# Altium PCB L1_SmashBoy_PCB2.PcbDoc (part 2 of 3)
Units mm, origin at the board's own origin, x right, y up, seen from the top; angles counter-clockwise.
Board outline 95.7 x 90 mm, 4 copper layers (Top Layer, Int1 (GND), Int2 (PWR), Bottom Layer), stack 1.531 mm thick; 133 components, 156 nets, 820 pads, 308 vias.
Unrouted connection lines stored in the file: 4.
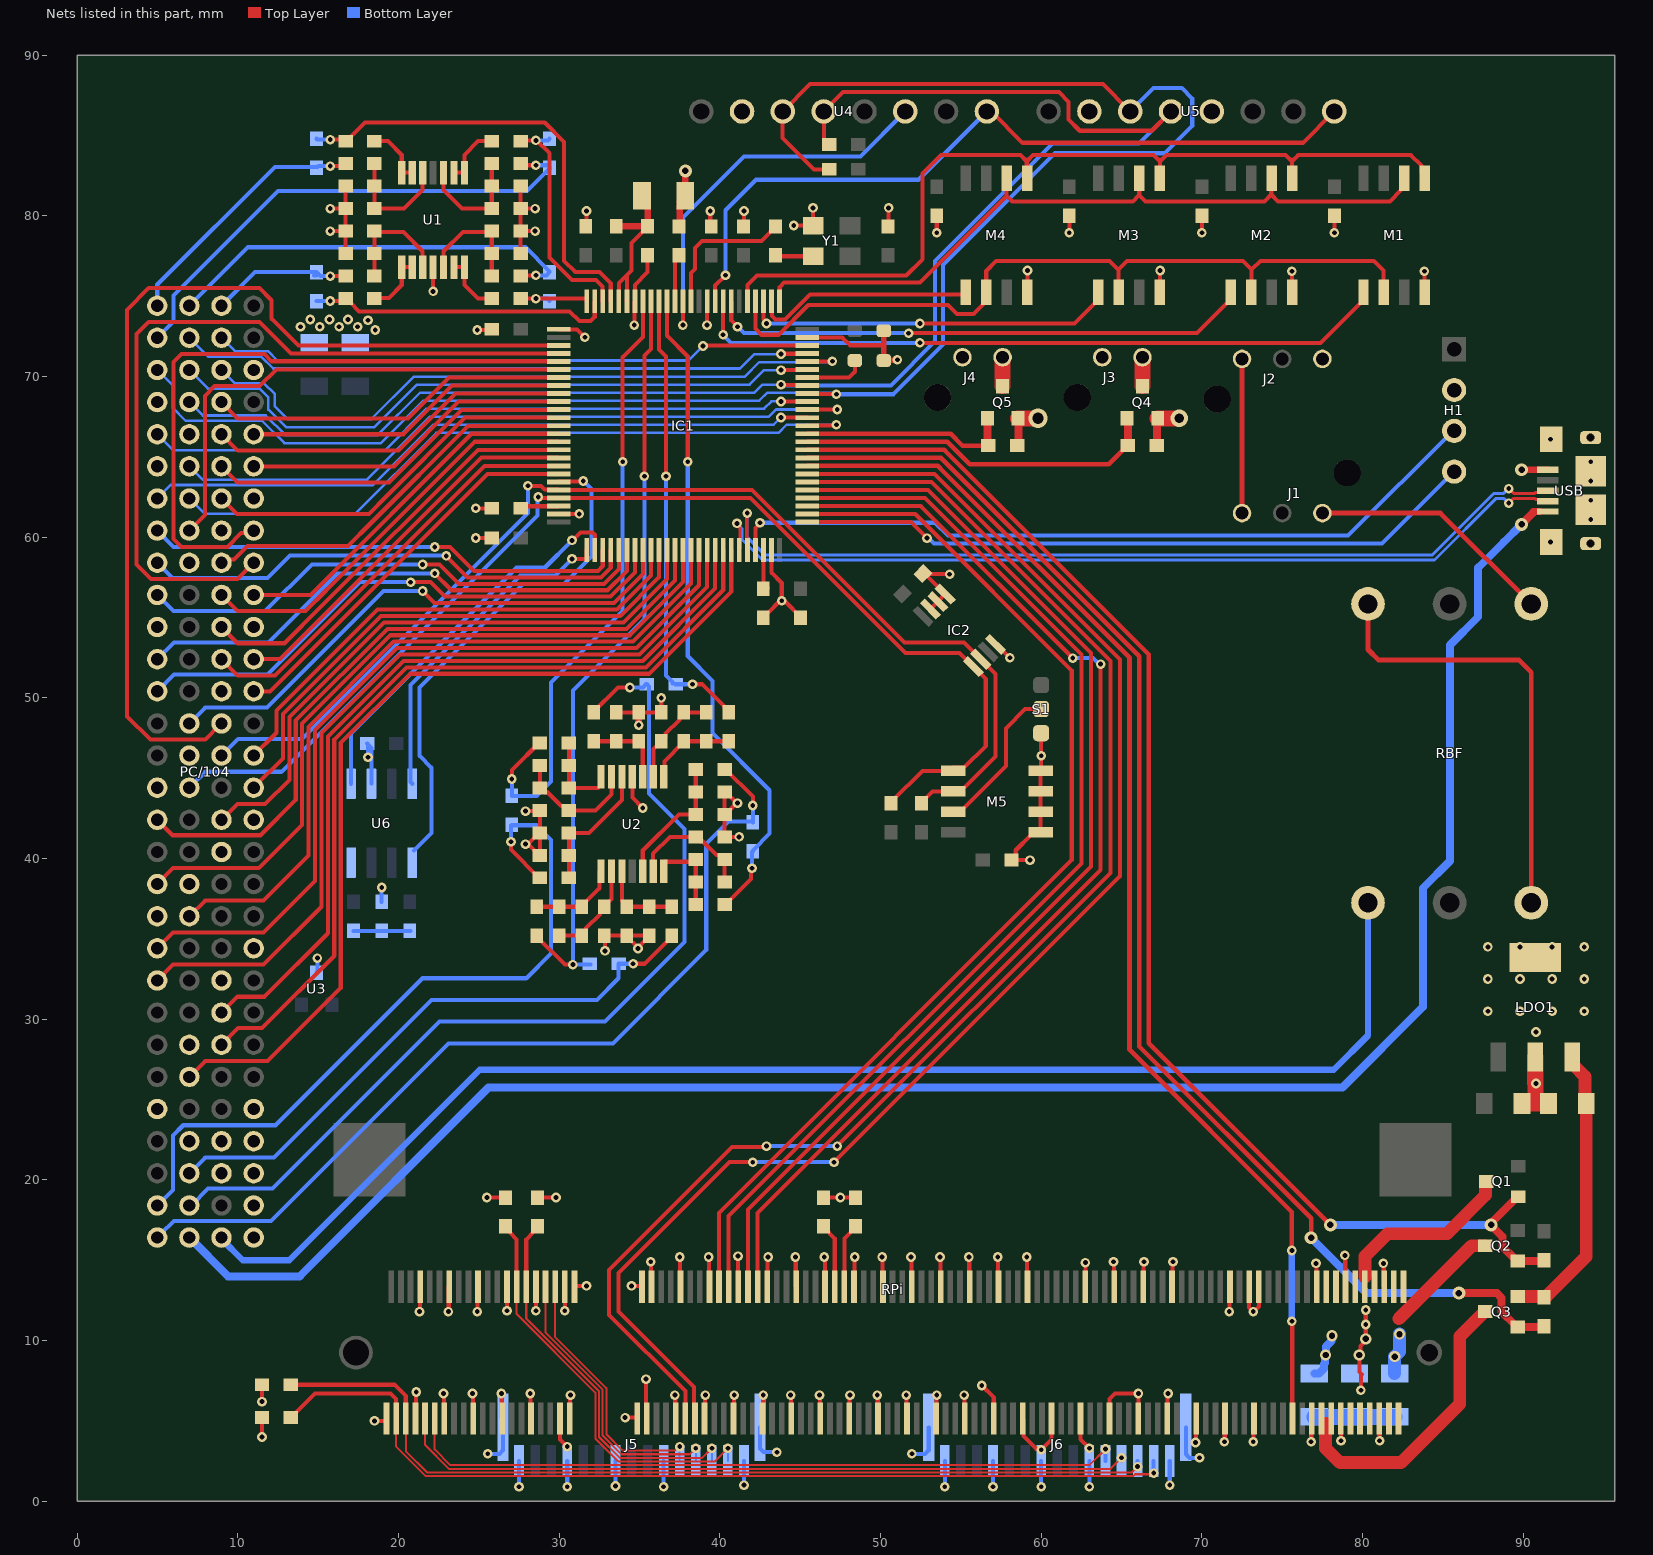
[diagram p4: the nets of this part, all layers, seen from the top]

## Via types
v1: diameter 0.6, hole 0.3, Top Layer to Bottom Layer, tented both sides, 280 vias
v2: diameter 0.8, hole 0.4, Top Layer to Bottom Layer, tented both sides, 8 vias
v3: diameter 3, hole 2, Top Layer to Bottom Layer, 8 vias
v4: diameter 0.7, hole 0.4, Top Layer to Bottom Layer, tented both sides, 6 vias
v5: diameter 2, hole 2, Top Layer to Bottom Layer, 4 vias
v6: diameter 1.2, hole 0.7, Top Layer to Bottom Layer, tented both sides, 1 vias
v7: diameter 1.1, hole 0.6, Top Layer to Bottom Layer, tented both sides, 1 vias

## Nets (pads, with @x,y where several pads share a name; then routed paths per layer and width w, separated by ;. In a path a pad name is that pad's centre, name@x,y a point inside that pad or via, vN(x,y) a via of type N, cw(c..) or ccw(c..) an arc to the next point about the centre after c; other vN are vias at no path point) (continued)
GND: C1.2 C2.2 C3.2 C4.2 C5.2 C6.2 C7.2 C8.2 C9.2 C10.2 C11.2 C13.2 C14.2 C15.2 C16.2 C17.2 C18.2 C19.2 C20.2 C21.2 C22.2 C23.2 C24.2 C25.2 C27.2 C28.2 C29.2 C31.2 C32.2 C33.2 C34.2 C35.2 C36.2 C38.2 C39.2 C40.2 H1.2 IC1.10 IC1.19 IC1.26 IC1.49 IC1.74 IC1.99 IC2.4 IC2.5 IC2.6 IC2.7 J2.3 J5.1 J5.4 J5.7 J5.10 J5.MP1 J5.MP2 J6.1 J6.4 J6.7 J6.10 J6.MP1 J6.MP2 LDO1.2 LDO1.4 M1.4 M2.4 M3.4 M4.4 M5.1 M5.2 M5.3 M5.4 PC/104.1 PC/104.5 PC/104.10 PC/104.14 PC/104.20 PC/104.24 PC/104.28 PC/104.33 PC/104.39 PC/104.43 PC/104.48 PC/104.53 PC/104.64 PC/104.67 PC/104.72 PC/104.76 PC/104.82 PC/104.86 PC/104.95 PC/104.101 PC/104.105 PC/104.110 PC/104.115 PC/104.117 Q4.2 Q5.2 R7.1 R8.1 R9.2 R10.2 R12.2 R15.1 R19.1 R20.1 R24.1 R26.1 R28.1 R32.1 R34.1 R37.1 R40.1 R44.1 R46.1 RPi.1 RPi.7 RPi.8 RPi.13 RPi.14 RPi.19 RPi.20 RPi.25 RPi.26 RPi.31 RPi.32 RPi.37 RPi.38 RPi.43 RPi.44 RPi.49 RPi.50 RPi.55 RPi.56 RPi.61 RPi.62 RPi.67 RPi.68 RPi.73 RPi.74 RPi.79 RPi.80 RPi.85 RPi.86 RPi.91 RPi.92 RPi.97 RPi.98 RPi.103 RPi.104 RPi.109 RPi.110 RPi.115 RPi.116 RPi.121 RPi.122 RPi.127 RPi.133 RPi.134 RPi.139 RPi.140 RPi.145 RPi.146 RPi.151 RPi.152 RPi.157 RPi.163 RPi.164 RPi.168 RPi.169 RPi.170 RPi.181 RPi.182 RPi.187 RPi.188 RPi.195 RPi.196 S1.3 U1.11 U2.11 U3.3 U4.2 U5.2 U5.5 U6.2 U6.8 USB.5 USB.SH Y1.2 | length 266.3
  Top Layer w0.127: LDO1.4@90.3,33.5 90.7,33.5 91.05,33.85 91.95,33.85 LDO1.4@92.3,33.5
  Top Layer w0.254: PC/104.1@10.98,16.187 11.049,16.256 10.98,16.325 PC/104.1@10.98,16.41 ; v1(15.75,79.05) C27.2@16.7,79.05 ; v1(15.75,80.45) C16.2@16.7,80.45 ; R32.1@16.7,77.65 C27.2@16.7,79.05 ; R26.1@16.7,82 C16.2@16.7,80.45 ; v1(18.5,5) 19.199,5 19.25,5.051 RPi.1@19.25,5.148 ; RPi.7@21.05,5.148 21.075,5.173 21.075,6.775 v1(21.1,6.8) ; v1(21.3,11.8) 21.325,11.825 21.325,13.327 RPi.8@21.35,13.352 ; v1(22.15,75.3) U1.11@22.15,76.812 ; v1(22.8,6.7) 22.825,6.675 22.825,5.173 RPi.13@22.85,5.148 ; v1(23.1,11.8) 23.125,11.825 23.125,13.327 RPi.14@23.15,13.352 ; v1(24.6,6.7) 24.625,6.675 24.625,5.173 RPi.19@24.65,5.148 ; v1(24.8,59.95) 25.8,59.95 C17.2@25.809,59.94 ; v1(24.8,61.8) C13.2@25.8,61.8 C13.2@25.791,61.791 ; v1(24.9,11.8) 24.925,11.825 24.925,13.327 RPi.20@24.95,13.352 ; v1(24.9,72.9) 25.769,72.9 C22.2@25.809,72.94 ; C17.2@25.8,60 C17.2@25.85,59.95 ; v1(26.4,6.7) 26.425,6.675 26.425,5.173 RPi.25@26.449,5.148 ; v1(26.75,11.85) RPi.26@26.749,13.352 ; C31.2@27.6,77.65 R40.1@27.6,79.05 ; R19.1@27.6,81.9 C11.2@27.6,80.45 ; v1(27.9,42.95) 28.75,42.95 R46.1@28.8,43 R44.1@28.8,41.6 28.8,40.25 C36.2@28.775,40.225 ; v1(28.2,6.7) 28.225,6.675 28.225,5.173 RPi.31@28.249,5.148 ; v1(28.5,79.05) R40.1@27.6,79.05 ; v1(28.5,80.45) C11.2@27.6,80.45 ; v1@28.55,11.85 RPi.32@28.549,13.352 ; R44.1@28.7,41.55 28.116,40.966 27.966,40.966 v1(27.9,40.9) 27.966,40.834 28.116,40.834 28.75,40.2 C36.2@28.8,40.2 ; IC1.49@29.971,61.44 29.976,61.445 31.245,61.445 v1(31.25,61.45) ; IC1.26@29.971,72.94 29.994,72.917 31.104,72.917 31.572,72.45 v1(31.6,72.45) ; RPi.37@30.075,5.173 RPi.37@30.049,5.148 30.049,3.851 v1(30.5,3.4) ; v1@30.35,11.85 RPi.38@30.35,13.352 ; C23.2@31.65,79.35 31.7,79.4 v1(31.7,80.3) ; v1(32.85,34.25) 32.85,35.15 R20.1@32.8,35.2 C10.2@34.2,35.2 ; R34.1@33.55,49.1 C29.2@34.95,49.1 R37.1@36.35,49.1 v1(36.35,50) ; U2.11@34.55,45.088 34.55,43.8 v1(35.2,43.15) ; v1(34.672,73.2) 34.691,73.219 34.691,74.66 IC1.19@34.709,74.678 34.709,75.709 35.5,76.5 C34.2@35.5,77.55 ; v1(34.9,34.4) v1@34.9,34.45 ; v1(35.4,7.6) 35.4,5.197 RPi.43@35.449,5.148 ; R15.1@35.65,35.25 R15.1@35.6,35.2 ; v1(35.7,14.9) 35.724,14.876 35.724,13.377 RPi.44@35.749,13.352 RPi.44@35.724,13.328 ; v1(37.2,6.6) 37.224,6.576 37.224,5.172 RPi.49@37.249,5.148 ; v1(37.5,15.2) 37.524,15.176 37.524,13.376 RPi.50@37.549,13.352 ; RPi.55@39.049,5.148 39.074,5.174 39.074,6.574 v1(39.1,6.6) ; v1(39.2,73.2) 39.205,73.205 39.205,74.674 IC1.10@39.209,74.678 ; v1(39.3,15.2) 39.324,15.176 39.324,13.376 RPi.56@39.349,13.352 ; v1(39.4,80.3) 39.4,79.4 C21.2@39.459,79.34 ; R24.1@40.3,44.05 C15.2@40.3,42.7 ; R24.1@40.38,44.07 R24.1@40.3,44.15 40.35,44.15 v1@41.05,43.45 ; RPi.61@40.848,5.148 40.874,5.174 40.874,6.574 v1(40.9,6.6) ; v1@41.1,43.4 41.075,43.425 v1@41.05,43.45 ; v1(41.1,43.45) v1@41.05,43.45 ; v1(41.128,15.255) 41.124,15.259 41.124,13.376 RPi.62@41.148,13.352 ; v1(41.2,41.35) R28.1@40.3,41.35 C15.2@40.3,42.7 ; C20.2@41.459,79.34 41.5,79.381 v1(41.5,80.3) ; RPi.67@42.648,5.148 42.674,5.174 v1@42.674,6.574 ; v1@42.674,6.774 v1@42.674,6.574 ; v1(42.7,6.6) v1@42.674,6.574 ; C5.2@42.7,55 42.7,55.05 42.973,55.323 43.023,55.323 43.684,55.984 43.784,55.984 v1(43.85,56.05) ; RPi.68@42.948,13.352 42.974,13.378 42.974,15.2 v1(43,15.2) ; IC1.74@43.209,59.202 43.209,57.791 43.85,57.15 v1(43.85,56.05) ; v1(44.4,6.6) 44.424,6.576 44.424,5.172 RPi.73@44.448,5.148 ; v1(44.6,79.4) Y1.2@45.8,79.4 ; v1(44.7,15.2) v1@44.724,15.224 ; v1@44.724,15.276 v1@44.724,15.224 ; RPi.74@44.748,13.352 44.724,13.376 v1@44.724,15.224 ; C18.2@45.05,55 45.05,55.011 44.077,55.984 43.916,55.984 v1(43.85,56.05) ; IC1.99@45.34,72.44 IC1.99@45.35,72.45 ; IC1.99@45.447,72.44 47.614,72.44 48.105,71.95 50.2,71.95 ; v1(45.8,80.5) 45.8,79.4 Y1.2@45.809,79.39 ; v1(46.2,6.6) 46.224,6.576 46.224,5.172 RPi.79@46.248,5.148 ; R9.2@46.45,18.9 v1(47.5,18.9) R10.2@48.45,18.9 ; v1(46.5,15.2) 46.5,15.106 46.548,15.058 RPi.80@46.548,13.352 ; RPi.85@48.048,5.148 48.074,5.174 48.074,6.574 v1(48.1,6.6) ; RPi.86@48.348,13.352 48.374,13.378 v1@48.374,15.226 ; v1@48.374,15.274 v1@48.374,15.226 ; v1(48.4,15.2) v1@48.374,15.226 ; R10.2@48.5,18.9 R10.2@48.45,18.9 ; R10.2@48.5,18.95 R10.2@48.45,18.9 ; v1(49.8,6.6) 49.824,6.576 49.824,5.172 RPi.91@49.848,5.148 ; v1(50.1,15.2) v1@50.124,15.176 ; v1@50.124,15.276 v1@50.124,15.176 ; RPi.92@50.148,13.352 50.124,13.376 v1@50.124,15.176 ; R12.2@50.2,71.1 50.275,71.025 R12.2@50.3,71 ; C3.2@50.459,79.34 50.5,79.381 v1(50.5,80.5) ; v1@51.025,71.025 v1(51.05,71.05) ; v1(51.6,6.6) 51.624,6.576 51.624,5.172 RPi.97@51.647,5.148 ; v1(51.9,15.2) 51.924,15.176 51.924,13.376 RPi.98@51.947,13.352 ; IC2.7@53.106,55.534 IC2.6@53.566,55.994 ; RPi.103@53.447,5.148 53.474,5.174 53.474,6.574 v1(53.5,6.6) ; v1(53.5,78.95) C9.2@53.5,80 ; IC2.6@53.566,55.989 IC2.6@53.566,55.994 ; v1(53.7,15.2) v1@53.724,15.176 ; v1@53.724,15.276 v1@53.724,15.176 ; RPi.104@53.747,13.352 53.724,13.376 v1@53.724,15.176 ; IC2.5@53.829,56.65 52.742,57.736 C14.2@52.636,57.736 52.672,57.772 53.058,57.772 53.13,57.7 v1(54.3,57.7) ; IC2.5@54.05,56.5 54.05,56.478 IC2.5@54.025,56.454 IC2.6@53.566,55.994 ; v1(55.2,6.6) 55.224,6.576 55.224,5.171 RPi.109@55.247,5.148 ; v1(55.5,15.2) v1@55.524,15.176 ; v1@55.524,15.276 v1@55.524,15.176 ; RPi.110@55.547,13.352 55.524,13.376 v1@55.524,15.176 ; v1(56.3,7.2) 57.023,6.477 ; IC2.4@57.154,53.325 57.189,53.325 58.014,52.5 v1(58.05,52.5) ; v1(57.3,15.2) v1@57.323,15.177 ; v1@57.323,15.277 v1@57.323,15.177 ; RPi.116@57.347,13.352 57.323,13.376 v1@57.323,15.177 ; R7.1@58.6,65.7 R7.1@58.5,65.7 R7.1@58.6,65.8 ; RPi.121@58.847,5.148 58.898,5.097 58.898,4.054 59.685,3.266 59.934,3.266 v1(60,3.2) 60.647,3.847 RPi.127@60.647,5.148 ; v1(59.1,15.2) v1@59.123,15.177 ; M4.4@59.12,75.25 59.135,75.265 59.135,76.585 v1(59.15,76.6) ; v1@59.123,15.277 v1@59.123,15.177 ; RPi.122@59.147,13.352 59.123,13.376 v1@59.123,15.177 ; v1(59.3,39.9) C28.2@58.15,39.9 58.415,40.165 58.415,40.515 59.327,41.427 59.327,41.447 59.525,41.645 M5.1@59.962,41.645 ; M5.2@59.715,42.915 M5.2@59.8,43 ; v1@59.9,46.4 60,46.5 S1.3@60,47.8 ; M5.1@59.962,41.65 M5.2@59.962,42.915 ; M5.2@59.962,43 M5.3@59.962,44.185 M5.4@59.962,45.455 60,45.493 v1(60,46.4) ; v1(61.75,78.95) C7.2@61.75,80 ; RPi.133@62.448,5.15 RPi.133@62.447,5.148 62.447,3.853 v1(63,3.3) ; RPi.134@62.747,13.352 62.748,13.354 62.748,14.848 v1(62.75,14.85) ; RPi.139@64.246,5.148 64.253,5.155 64.253,6.353 64.6,6.7 v1@66,6.7 ; v1(64.5,14.9) v1@64.523,14.877 ; v1@64.523,15.077 v1@64.523,14.877 ; RPi.140@64.546,13.352 64.523,13.375 v1@64.523,14.877 ; RPi.145@66.046,6.124 RPi.145@66.046,5.148 66.048,5.15 66.048,6.698 v1(66.05,6.7) ; RPi.146@66.346,13.352 66.373,13.379 66.373,14.873 v1(66.4,14.9) ; Q4.2@67.1,67.4 Q4.2@67.2,67.3 ; M3.4@67.37,75.25 67.385,75.265 67.385,76.585 v1(67.4,76.6) ; RPi.151@67.846,5.148 67.873,5.175 67.873,6.673 v1(67.9,6.7) ; RPi.152@68.146,13.352 68.173,13.379 68.173,14.873 v1(68.2,14.9) ; v1(69.6,3.65) 69.623,3.673 69.623,5.125 RPi.157@69.646,5.148 ; C6.2@69.95,79.95 C6.2@70,80 v1(70,78.95) ; v1(71.4,3.7) 71.423,3.723 71.423,5.125 RPi.163@71.446,5.148 ; v1(71.7,11.8) 71.723,11.823 71.723,13.329 RPi.164@71.746,13.352 ; RPi.168@72.946,13.352 72.946,12.054 v1(73.2,11.8) 73.237,11.8 73.546,12.109 RPi.170@73.546,13.352 ; v1(73.2,3.7) 73.223,3.723 73.223,5.125 RPi.169@73.246,5.148 ; v1(75.6,76.55) 75.61,76.54 75.61,75.26 M2.4@75.62,75.25 ; v1(76.8,3.7) 76.823,3.723 76.823,5.125 RPi.181@76.845,5.148 ; v1(77.1,14.8) 77.123,14.777 77.123,13.375 RPi.182@77.145,13.352 ; C4.2@78.2,80.05 C4.2@78.25,80 v1(78.25,78.95) ; RPi.187@78.645,5.148 78.654,5.139 78.654,3.775 v1(78.663,3.766) ; v1(78.9,15.3) 78.923,15.277 78.923,13.375 RPi.188@78.945,13.352 ; RPi.195@81.045,5.148 81.054,5.139 81.054,3.775 v1(81.063,3.765) ; v1(81.3,14.8) 81.322,14.778 81.322,13.375 RPi.196@81.345,13.352 ; v1(83.85,76.55) 83.86,76.54 83.86,75.26 M1.4@83.87,75.25 ; v1(91.7,59.7) USB.SH@91.75,59.7 ; v1(91.7,66.1) USB.SH@91.75,66.1 ; v1(94.2,61.1) USB.SH@94.2,61.7 v1(94.2,62.3) ; v1(94.2,63.5) USB.SH@94.2,64.1 v1(94.2,64.7) ; C27.2@16.7,79.05 C16.2@16.7,80.45 ; R40.1@27.6,79.05 C11.2@27.6,80.45 ; C10.2@34.2,35.2 34.2,35.15 v1@34.9,34.45 ; C10.2@34.2,35.2 R15.1@35.6,35.2 ; v1@34.9,34.45 35.6,35.15 R15.1@35.6,35.2 ; C15.2@40.3,42.7 40.35,42.75 v1@41.05,43.45 ; 57.023,6.477 57.047,6.453 RPi.115@57.047,5.148 57.023,5.171 57.023,6.477
  Top Layer w0.35: R12.2@50.2,71.1 50.2,71.95 C19.2@50.2,72.85 ; R12.2@50.275,71.025 v1@51.025,71.025
  Top Layer w0.381: v1(34.95,48.304) C29.2@34.95,49.1
  Top Layer w0.4: C8.2@37.459,79.34 37.5,79.381 37.5,80.6 C33.2@37.625,80.725 ; C33.2@37.5,80.85 C33.2@37.85,81.2 ; C33.2@37.85,81.25 C33.2@37.85,81.2 ; v2(37.85,82.8) C33.2@37.85,81.2 ; v2(89.9,64.2) USB.5@91.525,64.2
  Top Layer w0.5: R7.1@58.6,65.8 Q5.2@58.6,67.4 ; R8.1@67.2,65.7 Q4.2@67.2,67.3
  Top Layer w1: Q5.2@58.55,67.4 58.6,67.4 v6(59.8,67.4) ; Q4.2@67.25,67.4 v7(68.6,67.4) ; C1.2@89.925,24.75 90.757,24.75 ; LDO1.2@90.75,27.65 90.75,26.019 v1@90.757,26.026 ; v1@90.757,26.025 90.757,24.75 ; C2.2@91.6,24.7 91.55,24.75 90.757,24.75
  Bottom Layer w0.254: U3.3@14.905,32.895 U3.3@14.9,32.9 14.95,32.95 v1(14.95,33.8) ; v1(18.1,46.3) 18.1,47.1 C35.2@18.05,47.15 18.315,46.885 U6.2@18.315,44.665 ; C32.2@18.95,37.3 v1(18.95,38.2) ; v1(25.55,2.95) 26.277,2.95 26.5,3.173 J5.MP1@26.5,4.6 ; v1(27.5,0.9) J5.1@27.5,2.5 ; v1(30.5,0.9) J5.4@30.5,2.5 ; v1(33.5,0.95) J5.7@33.5,2.5 ; v1(36.5,0.9) J5.10@36.5,2.5 ; J5.MP2@42.5,4.6 42.5,3.273 42.723,3.05 v1(43.55,3.05) ; v1(51.95,2.95) 52.777,2.95 53,3.173 J6.MP1@53,4.6 ; v1(54,0.9) J6.1@54,2.5 ; v1(57,0.9) J6.4@57,2.5 ; v1(60,0.9) J6.7@60,2.5 ; v1(63,0.9) J6.10@63,2.5 ; J6.MP2@69,4.6 69,2.923 69.223,2.7 v1(69.85,2.7) ; v1(76.8,3.7) C40.2@76.8,5.2 ; v1(78.663,3.766) C38.2@78.663,5.25 ; v1(81.063,3.765) 81.063,5.25
  Bottom Layer w1: C40.2@77,5.25 78.663,5.25 C38.2@79.5,5.25 81.063,5.25 C39.2@82,5.25
  other v1: 28.55,11.85 30.35,11.85 90.8,26 90.8,29.2 87.8,30.5 89.8,30.5 91.8,30.5 93.8,30.5 87.8,32.5 89.8,32.5 91.8,32.5 93.8,32.5 87.8,34.5 89.8,34.5 91.8,34.5 93.8,34.5 18.55,72.9 13.9,73.1 15.1,73.1 16.3,73.1 17.45,73.1 18.1,73.5 14.5,73.55 15.7,73.55 16.85,73.55
NetC2_1: C2.1 LDO1.3 Q3.2 R6.1 | length 18.1
  Top Layer w0.8: Q3.2@89.65,12.75 91.3,12.75 91.45,12.75 93.925,15.225 C2.1@93.925,24.75 ; LDO1.3@93.05,27.65 93.125,27.575 93.125,27.15 93.85,26.425 C2.1@93.85,24.75
NetC5_1: C5.1 IC1.73 | length 2.5
  Top Layer w0.254: IC1.73@42.709,59.202 42.709,57.151 43,56.861 C5.1@43,56.8
NetC8_1: C8.1 IC1.14 | length 3
  Top Layer w0.254: IC1.14@37.209,74.69 37.209,77.29 C8.1@37.459,77.54
NetC10_1: C10.1 R13.1 R15.2 U2.3 | length 5.2
  Top Layer w0.254: U2.3@33.9,39.212 33.9,37.35 34.15,37.1 C10.1@34.15,37 ; C10.1@34.2,37 R15.2@35.55,37 ; R15.2@35.6,37.05 R15.2@35.55,37 ; R13.1@37,37 R15.2@35.55,37
NetC11_1: C11.1 R16.1 R19.2 U1.3 | length 7.2
  Top Layer w0.254: U1.3@22.8,82.5 22.8,81.6 23.95,80.45 C11.1@25.8,80.45 C11.1@25.75,80.4 ; C11.1@25.8,80.5 R19.2@25.8,81.85 R16.1@25.8,83.25
NetC12_1: C12.1 R17.1 R20.2 U2.2 | length 6.1
  Top Layer w0.254: R17.1@30.05,35.2 C12.1@31.4,35.2 ; C12.1@31.5,35.15 31.673,35.323 31.673,35.673 32.527,36.527 32.527,36.727 R20.2@32.8,37 32.8,37.05 33.073,37.323 33.101,37.323 33.25,37.472 U2.2@33.25,39.2
NetC12_2: C12.2 R14.1 R17.2 U2.1 | length 5.5
  Top Layer w0.254: R14.1@28.6,37 C12.2@31.4,37 31.4,37.05 32.502,38.152 32.502,39.152 U2.1@32.55,39.2
NetC13_1: C13.1 IC1.48 | length 2.4
  Top Layer w0.254: C13.1@27.6,61.8 27.727,61.927 29.958,61.927 IC1.48@29.971,61.94
NetC15_1: C15.1 R21.1 R24.2 U2.5 | length 8.2
  Top Layer w0.254: U2.5@35.2,39.35 35.2,40.5 37.45,42.75 C15.1@38.5,42.75 R21.1@38.5,45.55
NetC16_1: C16.1 R22.1 R26.2 U1.5 | length 7.3
  Top Layer w0.254: R22.1@18.5,83.25 R26.2@18.5,81.85 C16.1@18.5,80.45 20.35,80.45 21.5,81.6 U1.5@21.5,82.6
NetC26_1: C26.1 R27.1 R28.2 U2.6 | length 7.8
  Top Layer w0.254: U2.6@35.85,39.4 35.85,40.3 36.9,41.35 R28.2@38.5,41.35 38.773,41.077 38.923,41.077 39.777,40.223 40.027,40.223 C26.1@40.3,39.95 R27.1@40.3,38.55
NetC26_2: C26.2 R23.1 R27.2 U2.7 | length 4.9
  Top Layer w0.254: U2.7@36.5,39.724 36.575,39.8 38.35,39.8 C26.2@38.5,39.95 R27.2@38.5,38.55 R23.1@38.5,37.15
NetC27_1: C27.1 R29.1 R32.2 U1.10 | length 7.2
  Top Layer w0.254: R29.1@18.5,76.25 18.5,79 20.3,79 21.5,77.8 U1.10@21.5,76.812
NetC29_1: C29.1 R31.1 R34.2 U2.10 | length 5.1
  Top Layer w0.254: R31.1@32.15,47.3 R34.2@33.55,47.3 C29.1@34.9,47.3 ; C29.1@34.95,47.3 35.2,47.05 U2.10@35.2,45.088
NetC30_1: C30.1 R35.1 R37.2 U2.9 | length 6
  Top Layer w0.254: U2.9@35.881,45.331 35.881,46.828 36.03,46.977 36.077,46.977 36.35,47.25 R37.2@36.35,47.3 36.623,47.573 36.623,47.773 37.477,48.627 37.477,48.827 R35.1@37.75,49.1 C30.1@39.15,49.1
NetC30_2: C30.2 R33.1 R35.2 U2.8 | length 5.5
  Top Layer w0.254: U2.8@36.5,45.15 36.541,45.191 36.541,46.041 37.75,47.25 R35.2@37.75,47.3 C30.2@39.15,47.3 R33.1@40.55,47.3
NetC31_1: C31.1 R36.1 R40.2 U1.12 | length 7.2
  Top Layer w0.254: U1.12@22.8,76.812 22.8,77.8 24,79 R40.2@25.8,79 ; R36.1@25.8,76.3 R40.2@25.8,79.05
NetC32_1: C32.1 R39.1 R42.2 | length 3.6
  Bottom Layer w0.254: R39.1@17.2,35.5 R42.2@20.75,35.5
NetC36_1: C36.1 R41.1 R44.2 U2.12 | length 8.5
  Top Layer w0.254: R41.1@30.5,38.6 30.6,38.7 C36.1@30.6,40.2 R44.2@30.6,41.6 31.85,41.6 33.9,43.65 U2.12@33.9,44.95
NetC37_1: C37.1 R45.1 R46.2 U2.13 | length 7.9
  Top Layer w0.254: C37.1@28.8,44.35 R45.1@28.8,45.8 ; C37.1@28.8,44.4 29.073,44.127 29.273,44.127 30.127,43.273 30.277,43.273 R46.2@30.55,43 ; R46.2@30.6,43 32.25,43 33.25,44 U2.13@33.25,45.088
NetC37_2: C37.2 R43.1 R45.2 U2.14 | length 5.4
  Top Layer w0.254: C37.2@30.55,44.5 30.6,44.55 R43.1@30.6,47.2 ; C37.2@30.6,44.4 32.424,44.4 32.6,44.575 U2.14@32.6,45.088 U2.14@32.6,45.15
NetH1_3: H1.3 IC1.72 | length 48.1
  Top Layer w0.2: IC1.72@42.205,59.207 IC1.72@42.209,59.202
  Top Layer w0.254: IC1.72@42.205,59.207 42.212,59.214 42.212,60.578 42.5,60.866 v1(42.5,60.9)
  Bottom Layer w0.254: v1(42.5,60.9) 53.4,60.9 54.2,60.1 79.1,60.1 85.62,66.62 H1.3@85.7,66.62
NetH1_4: H1.4 IC1.76 | length 42.7
  Top Layer w0.254: IC1.76@45.447,60.94 51.9,60.94 v1(52.895,59.945)
  Bottom Layer w0.254: v1(52.895,59.945) 52.989,59.945 53.334,59.6 81.22,59.6 H1.4@85.7,64.08
NetIC1_1: IC1.1 M1.6 M2.6 M3.6 M4.6 | length 46.5
  Top Layer w0.254: IC1.1@43.709,74.678 43.728,74.697 43.728,75.578 44,75.85 52.45,75.85 57.85,81.25 ; M4.6@57.85,82.35 57.85,81.25 ; M3.6@66.1,82.5 66.1,81.3 ; M2.6@74.318,82.118 74.318,81.318 ; M1.6@82.6,81.8 82.525,81.8 82.402,81.677 82.402,81.602 81.7,80.9 74.736,80.9 74.318,81.318 ; 57.85,81.25 58.2,80.9 65.7,80.9 66.1,81.3 ; 66.1,81.3 66.5,80.9 73.9,80.9 74.318,81.318
NetIC1_2: IC1.2 M4.1 | length 13.8
  Top Layer w0.254: IC1.2@43.209,74.678 43.232,74.655 43.232,73.768 43.45,73.55 44.05,73.55 45.6,75.1 55.16,75.1 M4.1@55.31,75.25
NetIC1_3: IC1.3 M3.1 | length 23
  Top Layer w0.254: IC1.3@42.709,74.678 42.709,73.584 42.9,73.394 v1(42.9,73.3) ; v1(52.45,73.3) 62.085,73.3 63.6,74.815 M3.1@63.6,75
  Bottom Layer w0.254: v1(42.9,73.3) v1(52.45,73.3)
NetIC1_4: IC1.4 M1.2 M2.2 M3.2 M4.2 | length 49.6
  Top Layer w0.254: IC1.4@42.209,74.678 42.209,72.991 42.6,72.6 43.65,72.6 45.5,74.45 54.2,74.45 54.75,73.9 55.8,73.9 56.382,74.482 56.382,75.052 M4.2@56.58,75.25 56.58,76.58 57.2,77.2 64.25,77.2 64.725,76.725 64.8,76.65 ; M3.2@64.8,75.4 64.8,76.65 ; M2.2@73.08,75.25 73.1,75.27 73.1,76.65 ; M1.2@81.33,75.25 81.3,75.28 81.3,76.6 80.7,77.2 73.65,77.2 73.1,76.65 ; 64.8,76.65 65.35,77.2 72.55,77.2 73.1,76.65
NetIC1_5: IC1.5 M1.5 M2.5 M3.5 M4.5 | length 54.2
  Top Layer w0.254: IC1.5@41.709,74.678 41.709,75.709 42.3,76.3 51.6,76.3 52.6,77.3 52.6,82.65 53.75,83.8 58.7,83.8 59.1,83.4 ; M4.5@59.12,82.35 59.1,82.37 59.1,83.4 ; M3.5@67.4,82.7 67.4,83.4 ; M2.5@75.6,82.4 75.6,83.4 ; M1.5@83.9,82.5 83.672,82.728 83.672,83.128 83,83.8 76,83.8 75.6,83.4 ; 59.1,83.4 59.5,83.8 67,83.8 67.4,83.4 ; 67.4,83.4 67.8,83.8 75.2,83.8 75.6,83.4
NetIC1_7: IC1.7 M2.1 | length 33.6
  Top Layer w0.254: IC1.7@40.709,74.678 40.709,73.491 v1(41.1,73.1) ; v1(51.75,72.7) 69.7,72.7 71.577,74.577 71.612,74.577 71.9,74.865 M2.1@71.9,74.9
  Bottom Layer w0.254: v1(41.1,73.1) 41.5,72.7 v1(51.75,72.7)
NetIC1_8: IC1.8 M1.1 | length 43.8
  Top Layer w0.254: v1(40.2,72.6) 40.205,72.605 40.205,74.695 IC1.8@40.2,74.7 ; v1(52.45,72.1) 77.385,72.1 80.06,74.775 M1.1@80.06,75.25
  Bottom Layer w0.254: v1(40.2,72.6) 40.7,72.1 v1(52.45,72.1)
NetIC1_9: IC1.9 U4.8 U5.8 | length 48.3
  Top Layer w0.254: IC1.9@39.709,74.678 39.709,75.659 v1(40.35,76.3) ; U4.8@56.2,86.4 U4.8@56.6,86.4 ; U4.8@56.62,86.5 56.9,86.5 58.85,84.55 76.29,84.55 78.2,86.46 U5.8@78.2,86.5
  Bottom Layer w0.254: v1(40.35,76.3) 40.35,80.35 42.25,82.25 52.37,82.25 56.57,86.45 U4.8@56.6,86.45
NetIC1_12: IC1.12 R11.2 | length 9
  Top Layer w0.254: IC1.12@38.209,74.678 38.209,76.44 38.459,76.69 38.459,78.009 38.9,78.45 42.6,78.45 43.167,79.017 43.186,79.017 43.45,79.281 R11.2@43.45,79.3
NetIC1_13: IC1.13 U4.6 | length 24.7
  Top Layer w0.254: v1(37.7,73.2) 37.705,73.205 37.705,74.674 IC1.13@37.709,74.678 ; U4.6@51.4,86.36 U4.6@51.4,86.4
  Bottom Layer w0.254: v1(37.7,73.2) 37.7,79.9 41.5,83.7 48.74,83.7 51.49,86.45 U4.6@51.5,86.45
NetIC1_15: IC1.15 J9.2 R23.2 | length 41.4
  Top Layer w0.254: IC1.15@36.709,74.678 36.709,72.541 38,71.25 v1(38,64.7) ; R23.2@40.3,37.15 40.35,37.15 41.934,38.734 41.934,39.484 v1@41.95,39.5
  Bottom Layer w0.254: v1(38,64.7) 38,52.6 39.55,51.05 39.55,47.8 43.1,44.25 43.1,41.55 42.05,40.5 J9.2@42.05,40.45 42,40.4 v1(42,39.4)
NetIC1_16: IC1.16 J12.2 R33.2 | length 28.2
  Top Layer w0.254: IC1.16@36.209,74.678 36.209,71.691 36.65,71.25 v1(36.65,63.8) ; v1(38.3,50.85) 38.9,50.85 40.277,49.473 40.277,49.373 R33.2@40.55,49.1
  Bottom Layer w0.254: v1(36.65,63.8) 36.65,51.4 37.05,51 J12.2@37.05,50.9 ; J12.2@37.25,50.85 38.25,50.85 v1@38.25,50.9
NetIC1_17: IC1.17 J7.2 R14.2 | length 46.9
  Top Layer w0.254: R14.2@28.65,35.1 30.35,33.4 v1(30.85,33.4) ; v1(35.3,63.8) 35.3,71.3 35.709,71.709 IC1.17@35.709,74.241
  Bottom Layer w0.254: J7.2@31.95,33.4 v1(30.85,33.4) 30.85,50.45 35.3,54.9 v1(35.3,63.8)
NetIC1_18: IC1.18 J14.2 R43.2 | length 39.2
  Top Layer w0.254: v1(27.05,44.95) 27.05,45.5 R43.2@28.85,47.3 ; v1(33.95,64.7) 33.95,71.2 35.209,72.459 IC1.18@35.209,74.678
  Bottom Layer w0.254: J14.2@27.05,43.9 28.6,43.9 29.5,44.8 29.5,50.95 33.95,55.4 v1(33.95,64.7) ; J14.2@27.05,43.95 v1(27.05,44.95)
NetIC1_22: IC1.22 J10.2 R25.2 | length 28.2
  Top Layer w0.254: v1(15.75,84.75) 16.6,84.75 R25.2@16.7,84.65 ; R25.2@16.85,84.75 17.9,85.8 29.1,85.8 30.3,84.6 30.3,77.2 31,76.5 32.5,76.5 33.209,75.791 IC1.22@33.209,74.678
  Bottom Layer w0.254: J10.2@14.9,84.8 14.95,84.75 v1(15.75,84.75)
NetIC1_23: IC1.23 J8.2 R18.2 | length 14.5
  Top Layer w0.254: R18.2@27.6,84.65 27.65,84.7 28.6,84.7 29.4,83.9 29.4,77.4 30.8,76 32.3,76 32.706,75.594 32.706,74.681 IC1.23@32.709,74.678
  Bottom Layer w0.254: v1(28.55,84.7) 29.3,84.7 J8.2@29.4,84.8
NetIC1_24: IC1.24 J11.2 R30.2 | length 18.7
  Top Layer w0.254: v1@15.7,74.75 v1(15.75,74.7) 16.55,74.7 R30.2@16.7,74.85 ; R30.2@17,74.6 17.55,74.05 30.65,74.05 31.25,73.45 31.95,73.45 32.209,73.709 IC1.24@32.209,74.678
  Bottom Layer w0.254: J11.2@14.9,74.7 v1(15.75,74.7)
NetIC1_25: IC1.25 J13.2 R38.2 | length 5.2
  Top Layer w0.254: R38.2@27.6,74.85 v1(28.55,74.85) 31.686,74.85 31.7,74.836 IC1.25@31.7,74.7
  Bottom Layer w0.254: v1@28.5,74.9 v1(28.55,74.85) 29.25,74.85 J13.2@29.4,74.7
NetIC1_28: IC1.28 PC/104.47 | length 61.7
  Top Layer w0.254: PC/104.47@8.9,48.35 8.9,48.33 7.97,47.4 4.55,47.4 3.1,48.85 3.1,74.15 4.45,75.5 11.35,75.5 12.1,74.75 12.1,73.6 13.76,71.94 IC1.28@29.971,71.94
NetIC1_29: IC1.29 PC/104.22 | length 49.8
  Top Layer w0.254: PC/104.22@10.98,58.41 9.97,57.4 4.6,57.4 3.7,58.3 3.7,72.65 4.45,73.4 11.35,73.4 13.31,71.44 IC1.29@29.971,71.44